# Altium PCB CogniBee_V2.PcbDoc (part 1 of 2) (continued)
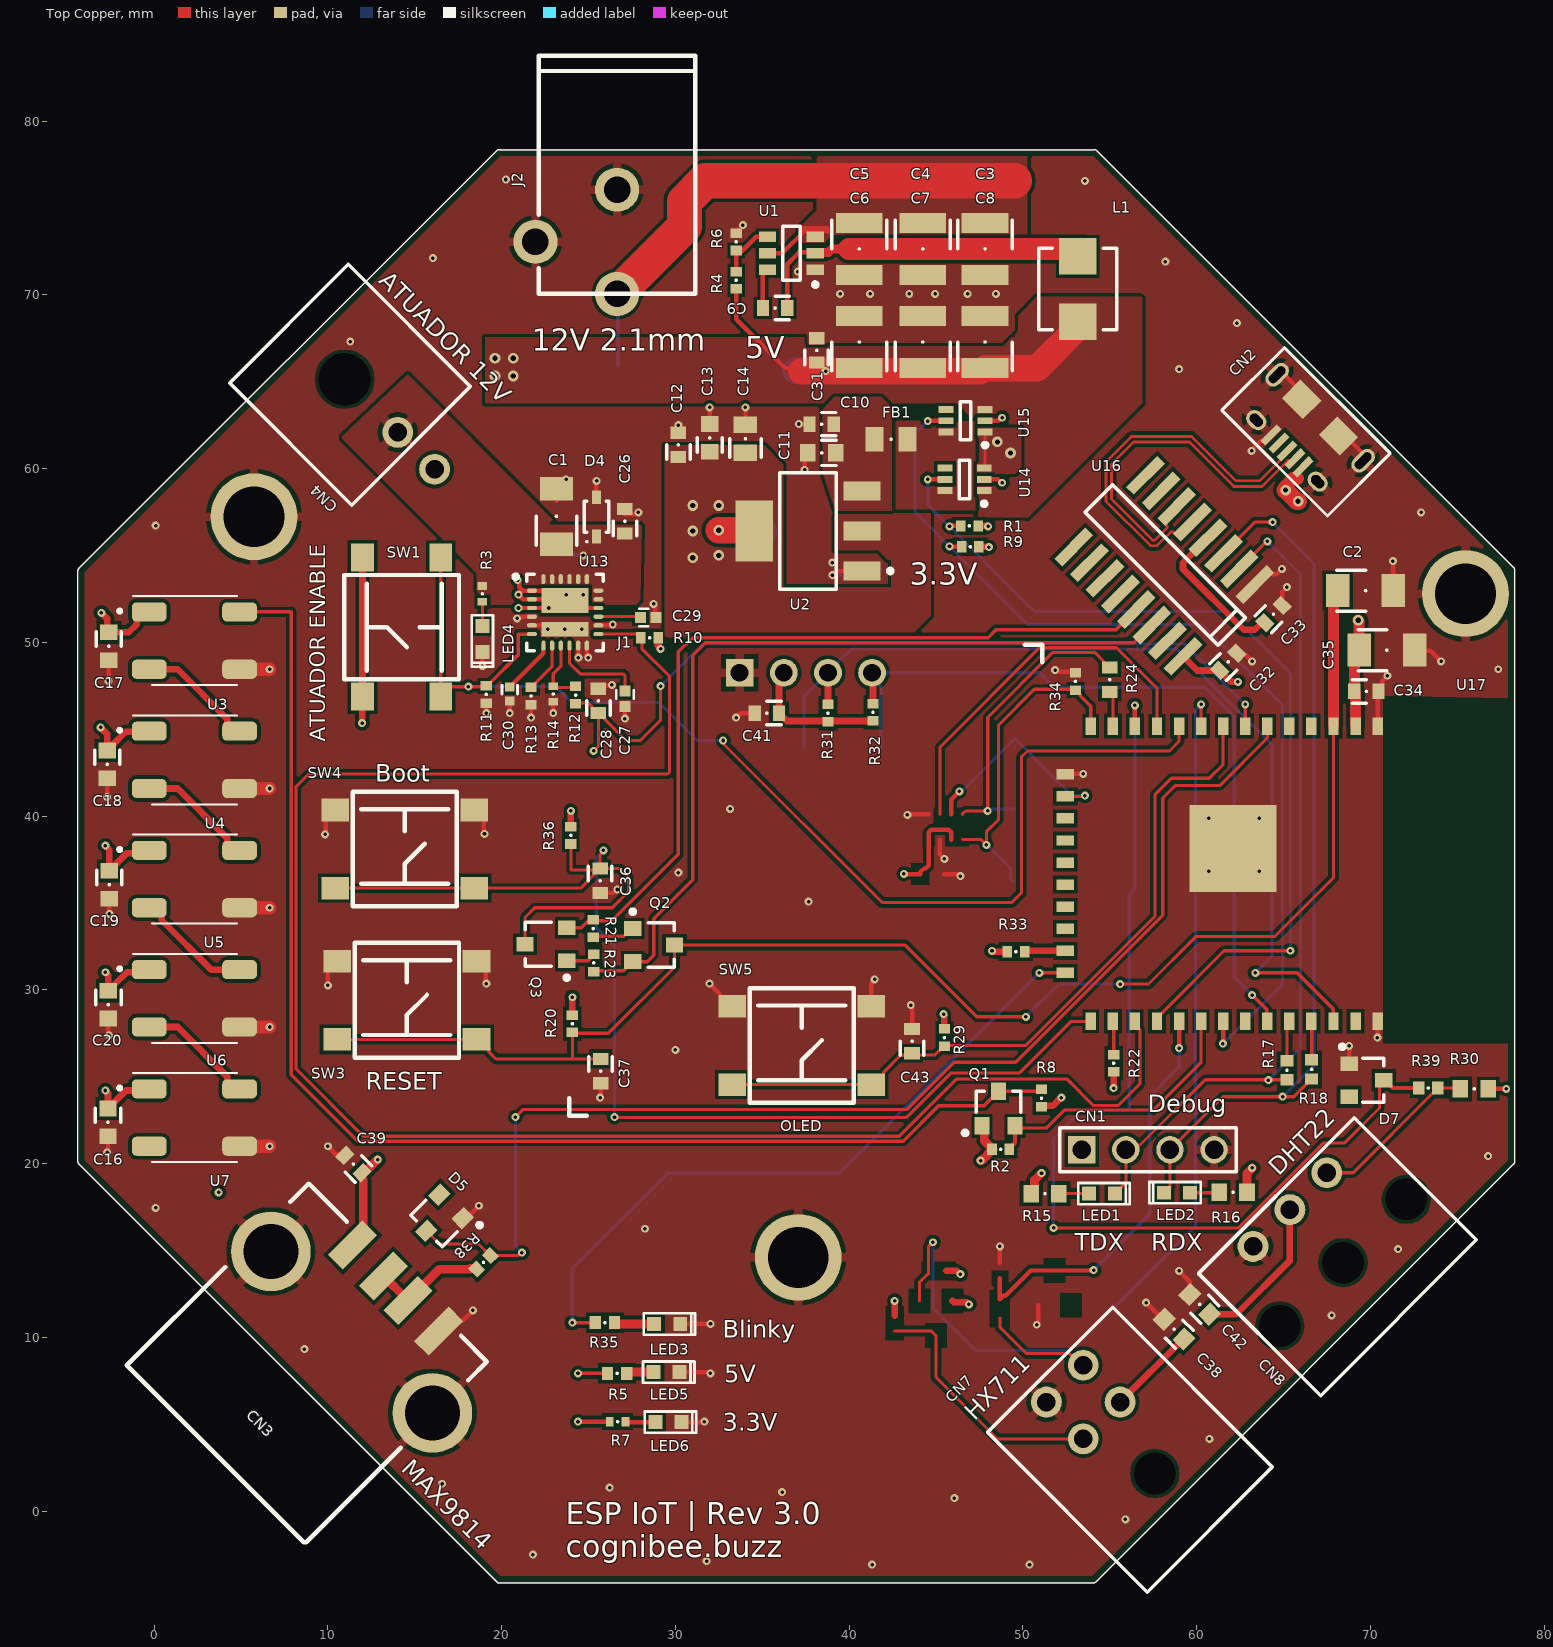
[diagram p0: Top Copper view]
## Part data (continued)
CN4: library part "MICROFIT 3.0 HDR 90deg 2x1CKT", Color=Black, Manufacturer="Molex Inc", Manufacturer Part Number=0430450200, Supplier Part Number 1=WM1813-ND, Category="Connectors, Interconnects", ComponentLink1Description=http://www.molex.com/pdm_docs/sd/430450200_sd.pdf, ComponentLink1URL=http://www.molex.com/pdm_docs/sd/430450200_sd.pdf, Connector Type="Header, Shrouded", Contact Finish=Tin, Contact Finish Thickness="100µin (2.54µm)", Contact Mating Length=-, Contact Type="Male Pin", Fastening Type="Locking Ramp", Features="Board Lock", Mounting Type="Through Hole, Right Angle", Number of Positions=2, Number of Positions Loaded=All, Number of Rows=2, Packaging=Tray, Pitch="0.118\" (3.00mm)", Pricing 1="1=0.92, 10=0.809, 50=0.7298, 100=0.6981, 250=0.6346, 500=0.57114, 1000=0.50768, 2500=0.46008, 5000=0.44422 (USD)", RoHS="RoHS Compliant", Row Spacing="0.118\" (3.00mm)", Stock 1=5243, Supplier 1=Digi-Key, Termination=Solder
CN7: library part "MICROFIT 3.0 HDR 90deg 4CKT", "Molex Microfit 2x2 90deg Header", Color=Black, Manufacturer="Molex Inc", Manufacturer Part Number=0430450400, Supplier Part Number 1=WM1814-ND, Category="Connectors, Interconnects", ComponentLink1Description=http://www.molex.com/pdm_docs/sd/430450400_sd.pdf, ComponentLink1URL=http://www.molex.com/pdm_docs/sd/430450400_sd.pdf, Connector Type="Header, Shrouded", Contact Finish=Tin, Contact Finish Thickness="100µin (2.54µm)", Contact Mating Length=-, Contact Type="Male Pin", Fastening Type="Locking Ramp", Features="Board Lock", Mounting Type="Through Hole, Right Angle", Number of Positions=4, Number of Positions Loaded=All, Number of Rows=2, Packaging=Tray, Pitch="0.118\" (3.00mm)", Pricing 1="1=1.35, 10=1.228, 50=1.1026, 100=1.0525, 250=0.95228, 500=0.8771, 1000=0.7518, 2500=0.70168, 5000=0.6666 (USD)", RoHS="RoHS Compliant", Row Spacing="0.118\" (3.00mm)", Stock 1=9668, Supplier 1=Digi-Key, Termination=Solder
CN8: library part "MICROFIT 3.0 HDR 90deg 3CKT", "Molex Microfit 1x3 90deg Header", Color=Black, Manufacturer="Molex Inc", Manufacturer Part Number=0436500304, Supplier Part Number 1=WM1876-ND, Category="Connectors, Interconnects", ComponentLink1Description=http://www.molex.com/pdm_docs/sd/436500304_sd.pdf, ComponentLink1URL=http://www.molex.com/pdm_docs/sd/436500304_sd.pdf, Connector Type="Header, Shrouded", Contact Finish=Gold, Contact Finish Thickness="15µin (0.38µm)", Contact Mating Length=-, Contact Type="Male Pin", Fastening Type="Locking Ramp", Features="Board Lock", Mounting Type="Through Hole, Right Angle", Number of Positions=3, Number of Positions Loaded=All, Number of Rows=1, Packaging=Tray, Pitch="0.118\" (3.00mm)", Pricing 1="1=1.39, 10=1.224, 50=1.104, 100=1.056, 250=0.96, 500=0.864, 1000=0.768, 2500=0.696, 5000=0.672 (USD)", RoHS="RoHS Compliant", Row Spacing=-, Stock 1=42564, Supplier 1=Digi-Key, Termination=Solder
D4: library part CMP-001-0939-01, "DIODE ZENER 13V 250MW SOD323", Max Operating Temperature=150°C, Max Power Dissipation=250mW, Min Operating Temperature=-65°C, Tolerance=5%, Zener Voltage=13V, Impedance=13R, Mount="Surface Mount", Packaging="Tape and Reel"
D5 D7: library part CMP-001-0958-01, "DIODE ZENER 3.6V 225MW SOT23-3", Case/Package=SOT-23-3, Forward Voltage=900mV, Max Operating Temperature=150°C, Max Power Dissipation=225mW, Max Reverse Leakage Current=5uA, Min Operating Temperature=-65°C, Package Quantity=3000, Power Dissipation=300mW, Test Current=5mA, Tolerance=6%, Voltage Rating (DC)=3.6V, Zener Current=10mA, Contact Plating=Tin,Matte, Element Configuration=Single, ESD Protection=Yes, Halogen Free="Halogen Free", Height=0.044inch, Impedance=90R, Lead Free="Lead Free", Length=0.119inch, Material=Plastic, Number of Pins=3, Packaging="Tape and Reel", Peak Reverse Current=5uA, Power Rating=225mW, Radiation Hardening=No, REACH SVHC="No SVHC", Voltage Tolerance=6%, Width=0.055inch, Working Voltage=3.6V, Zener Voltage=3.6V
FB1: library part "FERRITE 600 OHM 2.0A 0805", "600 OHM 0805 2.0A", Current Rating=2A, DC Resistance (DCR)="150 mOhm Max", Manufacturer="Wurth Electronics Inc", Manufacturer Part Number=742792040, Package / Case="0805 (2012 Metric)", Supplier Part Number 1=732-1620-1-ND, Category=Filters, ComponentLink1Description=http://katalog.we-online.de/pbs/datasheet/742792040.pdf, ComponentLink1URL=http://katalog.we-online.de/pbs/datasheet/742792040.pdf, Creator=osman, Filter Type="Differential Mode - Single", Height (Max)="0.043\" (1.10mm)", Impedance @ Frequency="600 Ohm @ 100MHz", Mounting Type="Surface Mount", Packaging="Cut Tape (CT)", Pricing 1="1=0.24, 50=0.2344, 100=0.2156, 500=0.20624, 1000=0.19687, 2000=0.1875 (USD)", RoHS="RoHS Compliant", Size / Dimension="0.079\" L x 0.047\" W (2.00mm x 1.20mm)", Stock 1=34670, Supplier 1=Digi-Key
J1: library part OLED_0.96_I2C, "SSD1306 I2C OLED 0.96\""
J2: library part "CONN PWR JACK 2.1", "2.1 mm barrel jack", Color=Black, Current Rating=2.5A, Manufacturer="CUI Inc", Manufacturer Part Number=PJ-002A, Operating Temperature="-25°C ~ 85°C", Supplier Part Number 1=CP-002AH-ND, Voltage - Rated=16VDC, Category="Connectors, Interconnects", ComponentLink1Description="Manufacturer Link", ComponentLink1URL=http://domino.kycon.com/internet/Products.html, ComponentLink2Description=http://www.cui.com/product/resource/digikeypdf/pj-002a.pdf, ComponentLink2URL=http://www.cui.com/product/resource/digikeypdf/pj-002a.pdf, ComponentLink3Description=http://www.cui.com/product/resource/digikeypdf/pj-002ah.pdf, ComponentLink3URL=http://www.cui.com/product/resource/digikeypdf/pj-002ah.pdf, Connector Type=Jack, Contact Material="Copper Alloy", Contact Material - Plating=Tin, DatasheetDocument=09-May-2002, Features=-, Gender=Male, Housing Color=Black, Housing Material=Thermoplastic, Internal Switch(s)="Single Switch, Normally Closed", Mounting Type="Through Hole, Right Angle", Number of Positions/Contacts="2 Conductors, 3 Contacts", Plug/Mating Plug Diameter="2.1mm ID, 5.5mm OD", Pricing 1="1=1.01, 10=0.704, 100=0.4724, 500=0.3819, 1000=0.3417, 2500=0.27135 (USD)", Published=17-Dec-2003, Publisher="Altium Limited", RoHS="RoHS Compliant", Shielding=Unshielded, Stock 1=47553, Supplier 1=Digi-Key, Termination="Solder Eyelet(s)"
L1: library part 3.3uH, "3.3uH ±20% 3.3A 87mΩ SMD,4.2x4.4x2.0mm Power Inductors RoHS", DC Resistance=87mΩ, LCSC Part Number=C408336, Manufacturer=Sunlord, Manufacturer Part Number 1=MWSA0402S-3R3MT, Max Current=3.3A, Package=SMD,4.2x4.4x2.0mm, ComponentLink1Description="New link", ComponentLink2Description="New link", Inductance=3.3uH
LED1: library part CMP-001-0086-06, "LED VERDE / 0603 SMD", Color=Green, Current - Test=20mA, Manufacturer="Lite-On Inc", Manufacturer Part Number=LTST-C191KGKT, Millicandela Rating=35mcd, Package / Case="0603 (1608 Metric)", Voltage - Forward (Vf) (Typ)=2V, Height=0.55mm, Lens Style/Size="Rectangle with Flat Top, 1.1mm x 0.8mm", Lens Type=Clear, Mounting Type="Surface Mount", Packaging="Cut Tape (CT)", Pin Count=2, Pricing 1="1=0.3, 10=0.238, 100=0.1296, 250=0.0864, 500=0.07344, 1000=0.05616, 2500=0.05076 (USD)", RoHS="RoHS Compliant", Size / Dimension="1.60mm L x 0.80mm W", Stock 1=84829, Viewing Angle=130°, Wavelength - Dominant=571nm, Wavelength - Peak=574nm
LED2: library part CMP-001-0086-06, "LED VERDE / 0603 SMD", Color=Verde, Current - Test=20mA, Manufacturer="Lite-On Inc", Manufacturer Part Number=LTST-C191KGKT, Millicandela Rating=35mcd, Package / Case="0603 (1608 Metric)", Voltage - Forward (Vf) (Typ)=2V, Height=0.55mm, Lens Style/Size="Rectangle with Flat Top, 1.1mm x 0.8mm", Lens Type=Clear, Mounting Type="Surface Mount", Packaging="Cut Tape (CT)", Pin Count=2, Pricing 1="1=0.3, 10=0.238, 100=0.1296, 250=0.0864, 500=0.07344, 1000=0.05616, 2500=0.05076 (USD)", RoHS="RoHS Compliant", Size / Dimension="1.60mm L x 0.80mm W", Stock 1=84829, Viewing Angle=130°, Wavelength - Dominant=571nm, Wavelength - Peak=574nm
LED3: library part CMP-001-0901-02, "LED BLUE CLEAR 2SMD 2.65V", Case Code (Imperial)=0603, Case Code (Metric)=1608, Color=Blue, Forward Voltage=2.65V, Lens Color=Colorless, Test Current=2mA, Case/Package=0603, Dominant Wavelength=470nm, Height=0.75mm, Length=1.6mm, Lens Transparency=Clear, Luminous Intensity=24mcd, Mount="Surface Mount", Packaging="Tape and Reel", Viewing Angle=120°, Width=0.8mm
LED4 LED5 LED6: library part CMP-001-0086-06, "LED GREEN CLEAR THIN 0603 SMD", Color=Verde, Current - Test=20mA, Manufacturer="Lite-On Inc", Manufacturer Part Number=LTST-C191KGKT, Millicandela Rating=35mcd, Package / Case="0603 (1608 Metric)", Voltage - Forward (Vf) (Typ)=2V, Height=0.55mm, Lens Style/Size="Rectangle with Flat Top, 1.1mm x 0.8mm", Lens Type=Clear, Mounting Type="Surface Mount", Packaging="Cut Tape (CT)", Pin Count=2, Pricing 1="1=0.3, 10=0.238, 100=0.1296, 250=0.0864, 500=0.07344, 1000=0.05616, 2500=0.05076 (USD)", RoHS="RoHS Compliant", Size / Dimension="1.60mm L x 0.80mm W", Stock 1=84829, Viewing Angle=130°, Wavelength - Dominant=571nm, Wavelength - Peak=574nm
Q1: library part CMP-012-0002-05, "MOSFET N-CH 60V 0.36A SOT-23", Case/Package=SOT, Continuous Drain Current (ID)=360mA, Drain to Source Breakdown Voltage=60V, Drain to Source Resistance=1.6R, Gate to Source Voltage (Vgs)=20V, Input Capacitance=50pF, Max Operating Temperature=150°C, Max Power Dissipation=350mW, Min Operating Temperature=-55°C, Package Quantity=10000, Power Dissipation=420mW, Contact Plating=Tin, Drain to Source Voltage (Vdss)=60V, Fall Time=5ns, Lead Free="Lead Free", Max Dual Supply Voltage=60V, Number of Elements=1, Number of Pins=3, Packaging="Tape and Reel", Radiation Hardening=No, Rds On Max=1.6R, Rise Time=4ns, Turn-Off Delay Time=10ns, Turn-On Delay Time=3ns
Q2 Q3: "TRANS NPN 80V 0.5A SOT-23", Current - Collector Cutoff (Max)=100nA, DC Current Gain (hFE) (Min) @ Ic, Vce="100 @ 100mA, 1V", Frequency - Transition=100MHz, Manufacturer="ON Semiconductor", Manufacturer Part Number=MMBTA06LT3G, Operating Temperature="-55°C ~ 150°C (TJ)", Package / Case="TO-236-3, SC-59, SOT-23-3", Supplier Device Package="SOT-23-3 (TO-236)", Supplier Part Number 1=MMBTA06LT3GOSCT-ND, Base Part Number=MMBTA06, Category="Discrete Semiconductor Products", ComponentLink1Description=http://www.onsemi.com/pub/Collateral/MMBTA05LT1-D.PDF, ComponentLink1URL=http://www.onsemi.com/pub/Collateral/MMBTA05LT1-D.PDF, Mounting Type="Surface Mount", Packaging="Cut Tape (CT)", Part Status=Active, Pricing 1="1=0.21, 10=0.196, 100=0.1067, 500=0.06566, 1000=0.04476 (USD)", RoHS="RoHS Compliant", Stock 1=16604, Supplier 1=Digi-Key, Transistor Type=NPN, Vce Saturation (Max) @ Ib, Ic="250mV @ 10mA, 100mA"
R1 R2 R6 R8 R9 R10 R11 R12 R20 R21 R22 R23 R29 R31 R32 R33 R34 R36: library part 10k_0402, "10KOHMS ±1% 1/10W 0402", Package=0402, Resistance=10K, Supplier Part Number 1=C25744, Manufacturer Part Number 1=0402WGF1002TCE, Supplier 1=LCSC
R3: library part "RES 1K OHM 1% 1/16W 0402", "1K 0402", Case Code (Imperial)=0402, Case Code (Metric)=1005, Manufacturer=Yageo, Manufacturer Part Number=RC0402FR-071KL, Max Operating Temperature=155°C, Min Operating Temperature=-55°C, Power Rating=62.5mW, Supplier Part Number 1=311-1.00KLRCT-ND, Temperature Coefficient=100ppm/°C, Tolerance=1%, Voltage Rating=50V, Case/Package=0402, Category=Resistors, ComponentLink1Description=https://datasheet.ciiva.com/2453/pyu-r-int-thick-7-2453361.pdf, ComponentLink1URL=https://datasheet.ciiva.com/2453/pyu-r-int-thick-7-2453361.pdf, ComponentLink2Description=https://datasheet.ciiva.com/2453/pyu-r-int-thick-7-2453362.pdf, ComponentLink2URL=https://datasheet.ciiva.com/2453/pyu-r-int-thick-7-2453362.pdf, ComponentLink3Description=https://datasheet.ciiva.com/2453/pyu-r-int-thick-7-2453363.pdf, ComponentLink3URL=https://datasheet.ciiva.com/2453/pyu-r-int-thick-7-2453363.pdf, ComponentLink4Description=https://datasheet.ciiva.com/22747/1018594-22747509.pdf, ComponentLink4URL=https://datasheet.ciiva.com/22747/1018594-22747509.pdf, ComponentLink5Description=https://datasheet.ciiva.com/15189/getdatasheetpartid-323696-15189334.pdf, ComponentLink5URL=https://datasheet.ciiva.com/15189/getdatasheetpartid-323696-15189334.pdf, ComponentLink6Description=https://datasheet.ciiva.com/16740/pyu-rc0402-51-rohs-l-6-r-16740567.pdf, ComponentLink6URL=https://datasheet.ciiva.com/16740/pyu-rc0402-51-rohs-l-6-r-16740567.pdf, ComponentLink7Description=https://datasheet.ciiva.com/12667/pyu-rc0402-51-rohs-l-6-r-12667930.pdf, ComponentLink7URL=https://datasheet.ciiva.com/12667/pyu-rc0402-51-rohs-l-6-r-12667930.pdf, ComponentLink8Description=https://datasheet.ciiva.com/11819/0900766b80c66297-11819452.pdf, ComponentLink8URL=https://datasheet.ciiva.com/11819/0900766b80c66297-11819452.pdf, ComponentLink9Description=https://datasheet.ciiva.com/11819/0900766b80c66297-11819477.pdf, ComponentLink9URL=https://datasheet.ciiva.com/11819/0900766b80c66297-11819477.pdf, ComponentLink10Description=https://datasheet.ciiva.com/12666/pyu-rc0402-51-rohs-l-6-r-12666741.pdf, ComponentLink10URL=https://datasheet.ciiva.com/12666/pyu-rc0402-51-rohs-l-6-r-12666741.pdf, ComponentLink11Description=https://datasheet.ciiva.com/17063/pyu-rc0402-51-rohs-l-6-r-17063193.pdf, ComponentLink11URL=https://datasheet.ciiva.com/17063/pyu-rc0402-51-rohs-l-6-r-17063193.pdf, ComponentLink12Description=https://datasheet.ciiva.com/22747/1018594-22747513.pdf, ComponentLink12URL=https://datasheet.ciiva.com/22747/1018594-22747513.pdf, ComponentLink13Description=https://datasheet.ciiva.com/7849/1018594-7849869.pdf, ComponentLink13URL=https://datasheet.ciiva.com/7849/1018594-7849869.pdf, ComponentLink14Description=https://datasheet.ciiva.com/7983/1018594-7983502.pdf, ComponentLink14URL=https://datasheet.ciiva.com/7983/1018594-7983502.pdf, ComponentLink15Description=https://datasheet.ciiva.com/7849/1018594-7849871.pdf, ComponentLink15URL=https://datasheet.ciiva.com/7849/1018594-7849871.pdf, Composition="Thick Film", Depth=0.5mm, Height=0.32mm, Lead Free="Lead Free", Length=1mm, Military Standard=Not, Number of Pins=2, Package / Case=0402, Packaging="Tape and Reel", Pricing 1="1=0.1, 10=0.014, 100=0.0056, 1000=0.0025, 2500=0.0022, 5000=0.0018 (USD)", REACH SVHC=Unknown, Resistance=1K, Stock 1=21888659, Supplier 1=Digi-Key, Termination=SMD/SMT, Voltage Rating (DC)=50V, Width=0.5mm
R4: library part "RES 56.2K OHM 1% 1/10W 0402", "56.2K 1% 0402", Manufacturer="Panasonic Electronic Components", Manufacturer Part Number=ERJ-2RKF5622X, Operating Temperature="-55°C ~ 155°C", Package / Case=0402, Power (Watts)="0.1W, 1/10W", Resistance (Ohms)=56.2k, Supplier Part Number 1=P56.2KLCT-ND, Temperature Coefficient=±100ppm/°C, Tolerance=±1%, Category=Resistors, ComponentLink1Description=http://industrial.panasonic.com/www-cgi/jvcr13pz.cgi?E+PZ+3+AOA0002+ERJ2RKF5622X+7+WW, ComponentLink1URL=http://industrial.panasonic.com/www-cgi/jvcr13pz.cgi?E+PZ+3+AOA0002+ERJ2RKF5622X+7+WW, Composition="Thick Film", Failure Rate=-, Features="Automotive AEC-Q200", Height="0.016\" (0.40mm)", Number of Terminations=2, Packaging="Cut Tape (CT)", Part Status=Active, Pricing 1="1=0.1, 50=0.0124, 100=0.0091, 250=0.00692, 500=0.00554, 1000=0.00408, 5000=0.00293 (USD)", RoHS="RoHS Compliant", Size / Dimension="0.039\" L x 0.020\" W (1.00mm x 0.50mm)", Stock 1=222789, Supplier 1=Digi-Key, Supplier Device Package=0402
R5: library part CMP-007-0549-12, "RES 604 OHM 1% 1/10W 0402", Operating Temperature="-55°C ~ 155°C", Package (Imperial)=0402, Package (Metric)=1005, Power=63mW, Temperature Coefficient=±25ppm/°C, Tolerance=1%, Height=400µm, Length=1mm, Resistance=604, Termination=SMD/SMT
R7: library part CMP-001-0786-04, "300 Ohms ±1% 0.1W, 1/10W Chip Resistor 0402 (1005 Metric) Automotive AEC-Q200 Thick Film", Max Operating Temperature=155°C, Max Power Dissipation=100mW, Min Operating Temperature=-55°C, Package (Imperial)=0402, Package (Metric)=1005, Package Quantity=10000, Resistance=300, Temperature Coefficient=100ppm/°C, Tolerance=1%, Voltage Rating=50V, Composition="Thick Film", Contact Plating=Tin, Depth=0.5mm, Height=350µm, Lead Free="Lead Free", Length=1mm, Military Standard=Not, Mount="Surface Mount", Number of Terminations=2, Packaging="Tape and Reel", Power=100mW, Power Rating=100mW, REACH SVHC="No SVHC", Termination=SMD/SMT, Voltage Rating (DC)=50V, Width=200µm
R13: library part CMP-001-1332-01, "RES SMD 270 OHM 0.1% 1/16W 0402", Case Code (Imperial)=0402, Case Code (Metric)=1005, Max Operating Temperature=155°C, Min Operating Temperature=-55°C, Package Quantity=5000, Power Rating=30mW, Resistance=270R, Resistor Type="Thin Film", Temperature Coefficient=25ppm/°C, Tolerance=0.1%, Voltage Rating=25V, Case/Package=0402, Height=0.35mm, Lead Free="Lead Free", Length=1mm, Number of Pins=2, Packaging="Tape and Reel", REACH SVHC=Unknown, Termination=SMD/SMT, Voltage Rating (DC)=25V, Width=0.5mm
R14: library part CMP-001-1331-01, "RES SMD 2.43KOHM 0.1% 1/16W 0402", Case Code (Imperial)=0402, Case Code (Metric)=1005, Max Operating Temperature=155°C, Max Power Dissipation=63mW, Min Operating Temperature=-55°C, Package Quantity=1, Resistance=2.43k, Resistor Type="Thin Film,Metal Film", Temperature Coefficient=25ppm/°C, Tolerance=0.1%, Voltage Rating=25V, Voltage Rating (DC)=50V, Case/Package=0402, Features="Automotive AEC-Q200", Height=0.016inch, Lead Free="Lead Free", Length=0.039inch, Mount="Surface Mount", Number of Terminations=2, Packaging="Tape and Reel", Power Rating=63mW, REACH SVHC=Unknown, Termination=SMD/SMT, Weight=2.8E-05oz, Width=0.02inch
R15 R16: library part "RES 1K OHM 1% 1/10W 0603", "1.0K 0603", Manufacturer="Stackpole Electronics Inc.", Manufacturer Part Number=RMCF0603FT1K00, Operating Temperature="-55°C ~ 155°C", Package / Case=0603, Power (Watts)="0.1W, 1/10W", Resistance (Ohms)=1.0k, Supplier Part Number 1=RMCF0603FT1K00CT-ND, Temperature Coefficient=±100ppm/°C, Tolerance=±1%, Category=Resistors, ComponentLink1Description=https://www.seielect.com/Catalog/SEI-RMCF_RMCP.pdf, ComponentLink1URL=https://www.seielect.com/Catalog/SEI-RMCF_RMCP.pdf, Composition="Thick Film", Failure Rate=-, Features="Automotive AEC-Q200", Height - Seated (Max)="0.022\" (0.55mm)", Packaging="Cut Tape (CT)", Part Status=Active, Pricing 1="1=0.1, 10=0.02, 100=0.0081, 1000=0.00364, 2500=0.00316 (USD)", RoHS="RoHS Compliant", Size / Dimension="0.061\" L x 0.031\" W (1.55mm x 0.80mm)", Stock 1=411308, Supplier 1=Digi-Key, Supplier Device Package=0603
R17 R18: library part CMP-007-0303-14, "RES 0.0 OHM JUMPER 1/10W 0402", Operating Temperature="-55°C ~ 155°C", Package (Imperial)=0402, Package (Metric)=1005, Power=63mW, Resistance=0, Temperature Coefficient=-, Tolerance=0%, Height=400µm, Length=1mm, Termination=SMD/SMT
R24: library part "RES 33 OHM 1/10W 5% 0603 SMD", "33 0603", Manufacturer="Panasonic Electronic Components", Manufacturer Part Number=ERJ-3GEYJ330V, Package / Case=0603, Power (Watts)="0.1W, 1/10W", Supplier Part Number 1=P33GCT-ND, Temperature Coefficient=±200ppm/°C, Tolerance=±5%, Category=Resistors, ComponentLink1Description=http://industrial.panasonic.com/www-cgi/jvcr13pz.cgi?E+PZ+3+AOA0001+ERJ3GEYJ330V+7+WW, ComponentLink1URL=http://industrial.panasonic.com/www-cgi/jvcr13pz.cgi?E+PZ+3+AOA0001+ERJ3GEYJ330V+7+WW, Composition="Thick Film", Features=-, Height="0.022\" (0.55mm)", Number of Terminations=2, Packaging="Cut Tape (CT)", Pricing 1="1=0.1, 50=0.0126, 100=0.0096, 250=0.00716, 500=0.00528, 1000=0.00352, 2500=0.00297 (USD)", Resistance (Ohms)=33, RoHS="RoHS Compliant", Size / Dimension="0.063\" L x 0.031\" W (1.60mm x 0.80mm)", Stock 1=499360, Supplier 1=Digi-Key, Supplier Device Package=0603
R30: library part "RES 4.7K OHM 1/10W 5% 0603 SMD", "4.7K 0603", Manufacturer="Panasonic Electronic Components", Manufacturer Part Number=ERJ-3GEYJ472V, Package / Case=0603, Power (Watts)="0.1W, 1/10W", Resistance (Ohms)=4.7k, Supplier Part Number 1=P4.7KGCT-ND, Temperature Coefficient=±200ppm/°C, Tolerance=±5%, Category=Resistors, ComponentLink1Description=http://industrial.panasonic.com/www-cgi/jvcr13pz.cgi?E+PZ+3+AOA0001+ERJ3GEYJ472V+7+WW, ComponentLink1URL=http://industrial.panasonic.com/www-cgi/jvcr13pz.cgi?E+PZ+3+AOA0001+ERJ3GEYJ472V+7+WW, Composition="Thick Film", Features="Automotive AEC-Q200 Qualified", Height="0.022\" (0.55mm)", Number of Terminations=2, Packaging="Cut Tape (CT)", Pricing 1="1=0.1, 50=0.0126, 100=0.0096, 250=0.00716, 500=0.00528, 1000=0.00352, 2500=0.00297 (USD)", RoHS="RoHS Compliant", Size / Dimension="0.063\" L x 0.031\" W (1.60mm x 0.80mm)", Stock 1=1261582, Supplier 1=Digi-Key, Supplier Device Package=0603
R35: library part CMP-007-0512-12, "RES 470 OHM 1% 1/10W 0402", Operating Temperature="-55°C ~ 155°C", Package (Imperial)=0402, Package (Metric)=1005, Power=63mW, Temperature Coefficient=±100ppm/°C, Tolerance=1%, Height=400µm, Length=1mm, Resistance=470, Termination=SMD/SMT
R38 R39: library part CMP-007-0350-06, "RES 100 OHM 1% 1/16W 0402", Operating Temperature="-55°C ~ 155°C", Package (Imperial)=0402, Package (Metric)=1005, Power=63mW, Temperature Coefficient=±100ppm/°C, Tolerance=1%, Height=400µm, Length=1mm, Resistance=100, Termination=SMD/SMT
SW1 SW3 SW4 SW5: library part "PTS645SM43SMTR92 LFS", "SWITCH TACTILE SPST-NO 0.05A 12V", Contact Rating @ Voltage="0.05A @ 12VDC", Illumination Type, Color=-, Manufacturer=C&K, Operating Force=160gf, Operating Temperature="-20°C ~ 60°C", Supplier Part Number 1=CKN9112CT-ND, Actuator Height off PCB, Vertical=4.30mm, Actuator Length, Right Angle=-, Actuator Material="Polyamide (PA66), Nylon 6/6", Actuator Orientation="Top Actuated", Actuator Type=Standard, Category=Switches, Circuit=SPST-NO, ComponentLink1Description=http://www.ckswitches.com/media/1471/pts645.pdf, ComponentLink1URL=http://www.ckswitches.com/media/1471/pts645.pdf, Features="Blue Actuator", Illumination=Non-Illuminated, Illumination Voltage (Nominal)=-, Ingress Protection=-, Manufacturer Part Number="PTS645SM43SMTR92 LFS", Mechanical Life="100,000 Cycles", Mounting Type="Surface Mount", Outline="6.00mm x 6.00mm", Packaging="Cut Tape (CT)", Part Status=Active, Pricing 1="1=0.15, 10=0.147, 25=0.1416, 50=0.1366, 100=0.129, 250=0.12144, 500=0.11638 (USD)", RoHS="RoHS Compliant", Stock 1=234699, Supplier 1=Digi-Key, Switch Function=Off-Mom, Switch Travel=-, Termination Style="Gull Wing"
TP1 TP2 TP3 TP4 TP5 TP6 TP7 TP8 TP9 TP10 TP11 TP12: library part CMP-001-0557-03, "Test Point- Current one", Component Name=TestPoint, Pin Count=1
U1: "IC REG BUCK ADJ 2A TSOT23-6", Current - Output=2A, Frequency - Switching=650KHZ, Manufacturer Part Number=TPS562209DDCR, Supplier Device Package=TSOT-23-6, Voltage - Input (Max)=17V, Voltage - Input (Min)=4.5V, Voltage - Output (Max)=7V, Voltage - Output (Min/Fixed)=0.765V, Topology=Buck
U2: library part LD1117S33, "3.3 volt fixed regulator, 800mA", Supplier Part Number 1=497-1242-1-ND, Supplier 1=Digi-Key
U3 U4 U5 U6 U7: "Serial RGB LED", LCSC=C114587, RGB Current=5mA, Voltage="3.5V ~ 5.3V", BLUE Brightness="65 mcd", Datasheet=https://datasheet.lcsc.com/szlcsc/Worldsemi-WS2812C_C114587.pdfhttps://datasheet.lcsc.com/szlcsc/Worldsemi-WS2812C_C114587.pdf, GREEN Brightness=245mcd, RED Brightness=60mcd, White Brightness="365 mcd"
U13: library part CMP-001-0746-09, "15A, 3mohm eFuse with Accurate Current Monitor and Configurable Retry Timers - No UV Lockout", Current Limit Threshold="3 A to 15 A", Current Monitor Output="Accuracy: ±1% (Typical, for IOUT> 2 A)", Over Temperature Protection=Yes, Over Voltage Protection="N/A on this model", Voltage Input="2.7 V to 24 V", ComponentLink1Description="New link", Datasheet=https://www.ti.com/lit/gpn/TPS25982, Extra Features="Programmable Load Handshake Timer", Fault Response=Auto-Retry, Output Slew Rate (dVdt)=Adjustable, Power Good Output=Yes, Rds on=3-mΩ, Supplier Link=https://www.ti.com/store/ti/en/p/product/?p=PTPS259827ONRGET, Type="Circuit Breaker"
U14 U15: library part LM66100DCKT, "OR Controller P-Channel 1.5A CC", Current - Output (Max)=1.5A, Supplier Part Number 1=296-53540-1-ND, Voltage - Supply="1.5V ~ 5.5V", FET Type=P-Type, Supplier 1=Digi-Key
U16: "USB para Serial  / UART", ComponentLink1Description="Sparkfun Demo Board", ComponentLink1URL=https://www.sparkfun.com/products/15096, ComponentLink2Description="LCSC Part Link", ComponentLink2URL=https://lcsc.com/product-detail/USB_CH340C_C84681.html
U17: library part U/ESP32-WROOM-32D, "ESP32 module"

## Free pads (board coordinates)
  round 5 hole 3.5: 0(5.75,57.225) 0(37.075,14.605) 0(75.475,52.8)

## Via types
v1: diameter 0.457, hole 0.203, Top Copper to Bottom Copper, tented both sides, 179 vias
v2: diameter 0.61, hole 0.305, Top Copper to Bottom Copper, 9 vias
v3: diameter 0.61, hole 0.305, Top Copper to Bottom Copper, tented both sides, 6 vias
v4: diameter 0.457, hole 0.203, Top Copper to Bottom Copper, 4 vias
v5: diameter 0.457, hole 0.203, Top Copper to Bottom Copper, tented top, 1 vias

## Nets (pads, with @x,y where several pads share a name; then routed paths per layer and width w, separated by ;. In a path a pad name is that pad's centre, name@x,y a point inside that pad or via, vN(x,y) a via of type N, cw(c..) or ccw(c..) an arc to the next point about the centre after c; other vN are vias at no path point)
3.3V: C12.1 C13.1 C14.1 C32.1 C34.1 C35.1 C38.1 C41.1 C42.1 CN1.1 CN7.1 CN8.2 J1.2 Q1.1 R1.1 R2.1 R7.1 R9.1 R10.1 R15.2 R16.2 R20.1 R22.1 R29.1 R30.2 R31.1 R32.1 R33.1 R36.1 SW1.1 SW1.2 TP4.1 U2.2 U2.4 U16.16 U17.2 | length 61.3
  Top Copper w0.254: v1(24.4,5.15) R7.1@26.225,5.15 ; R30.2@76.782,24.3 v1(77.82,24.3)
  Top Copper w0.381: v1(11.975,45.35) 11.975,46.85 SW1.1@12,46.875 SW1.2@12,54.875 ; R36.1@23.989,39.442 v1(23.989,40.294) ; R20.1@24.075,28.6 v1(24.075,29.573) ; R10.1@28.968,50.256 29.003,50.222 29.003,49.793 29.15,49.646 v1(29.15,49.625) ; J1.2@36.245,48.25 36.245,47.92 35.968,47.643 C41.1@35.968,45.925 35.968,45.825 36.128,45.665 36.228,45.665 36.418,45.475 38.785,45.475 41.275,45.475 41.325,45.525 R32.1@41.375,45.525 ; v1(45.438,28.6) 45.438,28.581 45.488,28.531 R29.1@45.488,27.7 ; R1.1@47.375,56.7 47.956,56.7 47.986,56.67 v1(48.007,56.67) ; R9.1@47.425,55.5 48.007,55.5 48.029,55.477 v1(48.05,55.477) ; v1(48.226,32.245) 48.244,32.245 48.289,32.2 R33.1@49.05,32.2 ; v1(55.225,24.339) R22.1@55.225,25.225 ; CN7.1@55.597,6.277 59.229,9.909 C38.1@59.266,9.909 ; U16.16@59.219,49.194 60.033,48.38 60.963,48.38 61.034,48.451 61.259,48.451 C32.1@61.33,48.38 61.985,47.725 v1(62.375,47.725) ; C42.1@60.741,11.334 60.776,11.37 61.143,11.37 61.178,11.334 62.284,11.334 65.37,14.42 CN8.2@65.37,17.355
  Top Copper w0.508: v1(47.575,20.175) 47.63,20.175 48.274,20.818 47.779,21.312 47.779,22.037 Q1.1@47.649,22.168 ; R15.2@50.475,18.275 50.671,18.471 50.671,19.047 v1(51.074,19.45) ; R16.2@62.9,18.35 62.9,19.45 v1(63.2,19.75)
  Top Copper w0.635: U17.2@69.15,45.175 69.15,47.1 C34.1@69.075,47.175 69.075,49.275 C35.1@69.35,49.55 69.35,51.206 69.3,51.256 v2(69.3,51.275)
  Top Copper w1.524: v3(32.5,56.45) 34.499,56.45 U2.4@34.544,56.405
  Bottom Copper w1.524: v3(32.5,56.45) 35,56.45 TP4.1@35.1,56.35
  other v3: 30.998,54.875 32.5,55.002 30.998,56.405 30.998,57.875 32.5,57.875
5V: C6.1 C7.1 C8.1 C16.1 C17.1 C18.1 C19.1 C20.1 C31.1 C39.1 CN3.2 L1.1 R4.2 R5.1 R8.1 TP3.1 U3.1 U4.1 U5.1 U6.1 U7.1 U14.1 U15.3 | length 94
  Top Copper w0.203: v1(24.4,7.925) R5.1@26.1,7.925
  Top Copper w0.254: R4.2@33.503,70.339 33.503,68.591 36.311,65.783 37.084,65.783 37.259,65.608
  Top Copper w0.381: v1(-3.075,45.1) -2.7,44.725 C18.1@-2.7,43.775 -2.65,43.775 -2.39,44.035 -2.39,44.085 -1.623,44.852 -0.311,44.852 U4.1@-0.275,44.887 ; v1(-3.025,51.7) -2.698,51.373 -2.698,50.673 C17.1@-2.6,50.575 -1.45,50.575 -0.993,51.032 -0.993,51.397 -0.639,51.75 U3.1@-0.275,51.75 ; v1(-2.8,24.207) -2.8,24.201 -2.65,24.051 C16.1@-2.65,23.175 -2.6,23.175 -2.34,23.434 -2.34,23.484 -1.618,24.207 -0.368,24.207 U7.1@-0.275,24.3 ; v1(-2.8,31.014) -2.8,31.007 -2.625,30.832 C20.1@-2.625,29.95 -2.575,29.95 -2.315,30.21 -2.315,30.26 -1.561,31.014 -0.424,31.014 U6.1@-0.275,31.162 ; v1(-2.8,38.3) -2.8,38.293 -2.575,38.068 C19.1@-2.575,36.85 -2.525,36.85 -2.265,37.11 -2.265,37.16 -1.555,37.87 -0.43,37.87 U5.1@-0.275,38.025 ; 42.623,11.26 v1(42.623,12.1) ; R8.1@51.074,23.318 51.085,23.329 51.731,23.329 52.197,23.795 v1(52.216,23.795)
  Top Copper w0.508: 11.432,15.306 11.432,15.796 12.041,16.405 C39.1@12.041,19.061 ; C39.1@12.041,19.409 12.856,20.225 v1(12.875,20.225)
  Top Copper w1.524: 37.259,65.608 v4(38.646,65.608) C8.1@47.515,65.608 ; C8.1@47.823,65.783 50.84,65.783 L1.1@53.163,68.106
  Signal Layer 2 w1.016: v1(24.4,7.925) 25.575,6.75 37.273,6.75 v1(42.623,12.1) 43,12.477 43,18.35 48.445,23.795 v1(52.216,23.795)
  Bottom Copper w1.524: TP3.1@36.9,65.625 38.628,65.625 v4(38.646,65.608)
  other v2: 19.625,65.325 20.678,65.325 19.623,66.35 20.678,66.35
5V_USB: CN2.1 U14.3 U15.1 | length 23.7
  Top Copper w0.178: U14.3@47.775,60.025 47.825,60.075 U15.1@47.825,62.1
  Top Copper w0.381: 65.788,59.428 65.788,59.744 65.784,59.747 65.784,59.761 CN2.1@66.12,60.097
  Top Copper w0.762: v2(65.12,58.761) 65.12,58.982 65.567,59.428 65.788,59.428
  Top Copper w1.016: v2(65.12,58.761) 65.769,58.112 v2(65.84,58.112)
  Signal Layer 2 w1.27: v2(48.537,61.532) 48.649,61.532 v2(49.288,60.893) 50.806,59.375 64.375,59.375 65.055,58.695 65.257,58.695 v2(65.84,58.112)